# Altium PCB PCB.PcbDoc (part 3 of 3)
Units mm, origin at the board's own origin, x right, y up, seen from the top; angles counter-clockwise.
Board outline 157.4 x 131.87 mm, 4 copper layers (Top Layer, Power, GND, Bottom Layer), stack 0.603 mm thick; 193 components, 161 nets, 761 pads, 797 vias.
Unrouted connection lines stored in the file: 9.
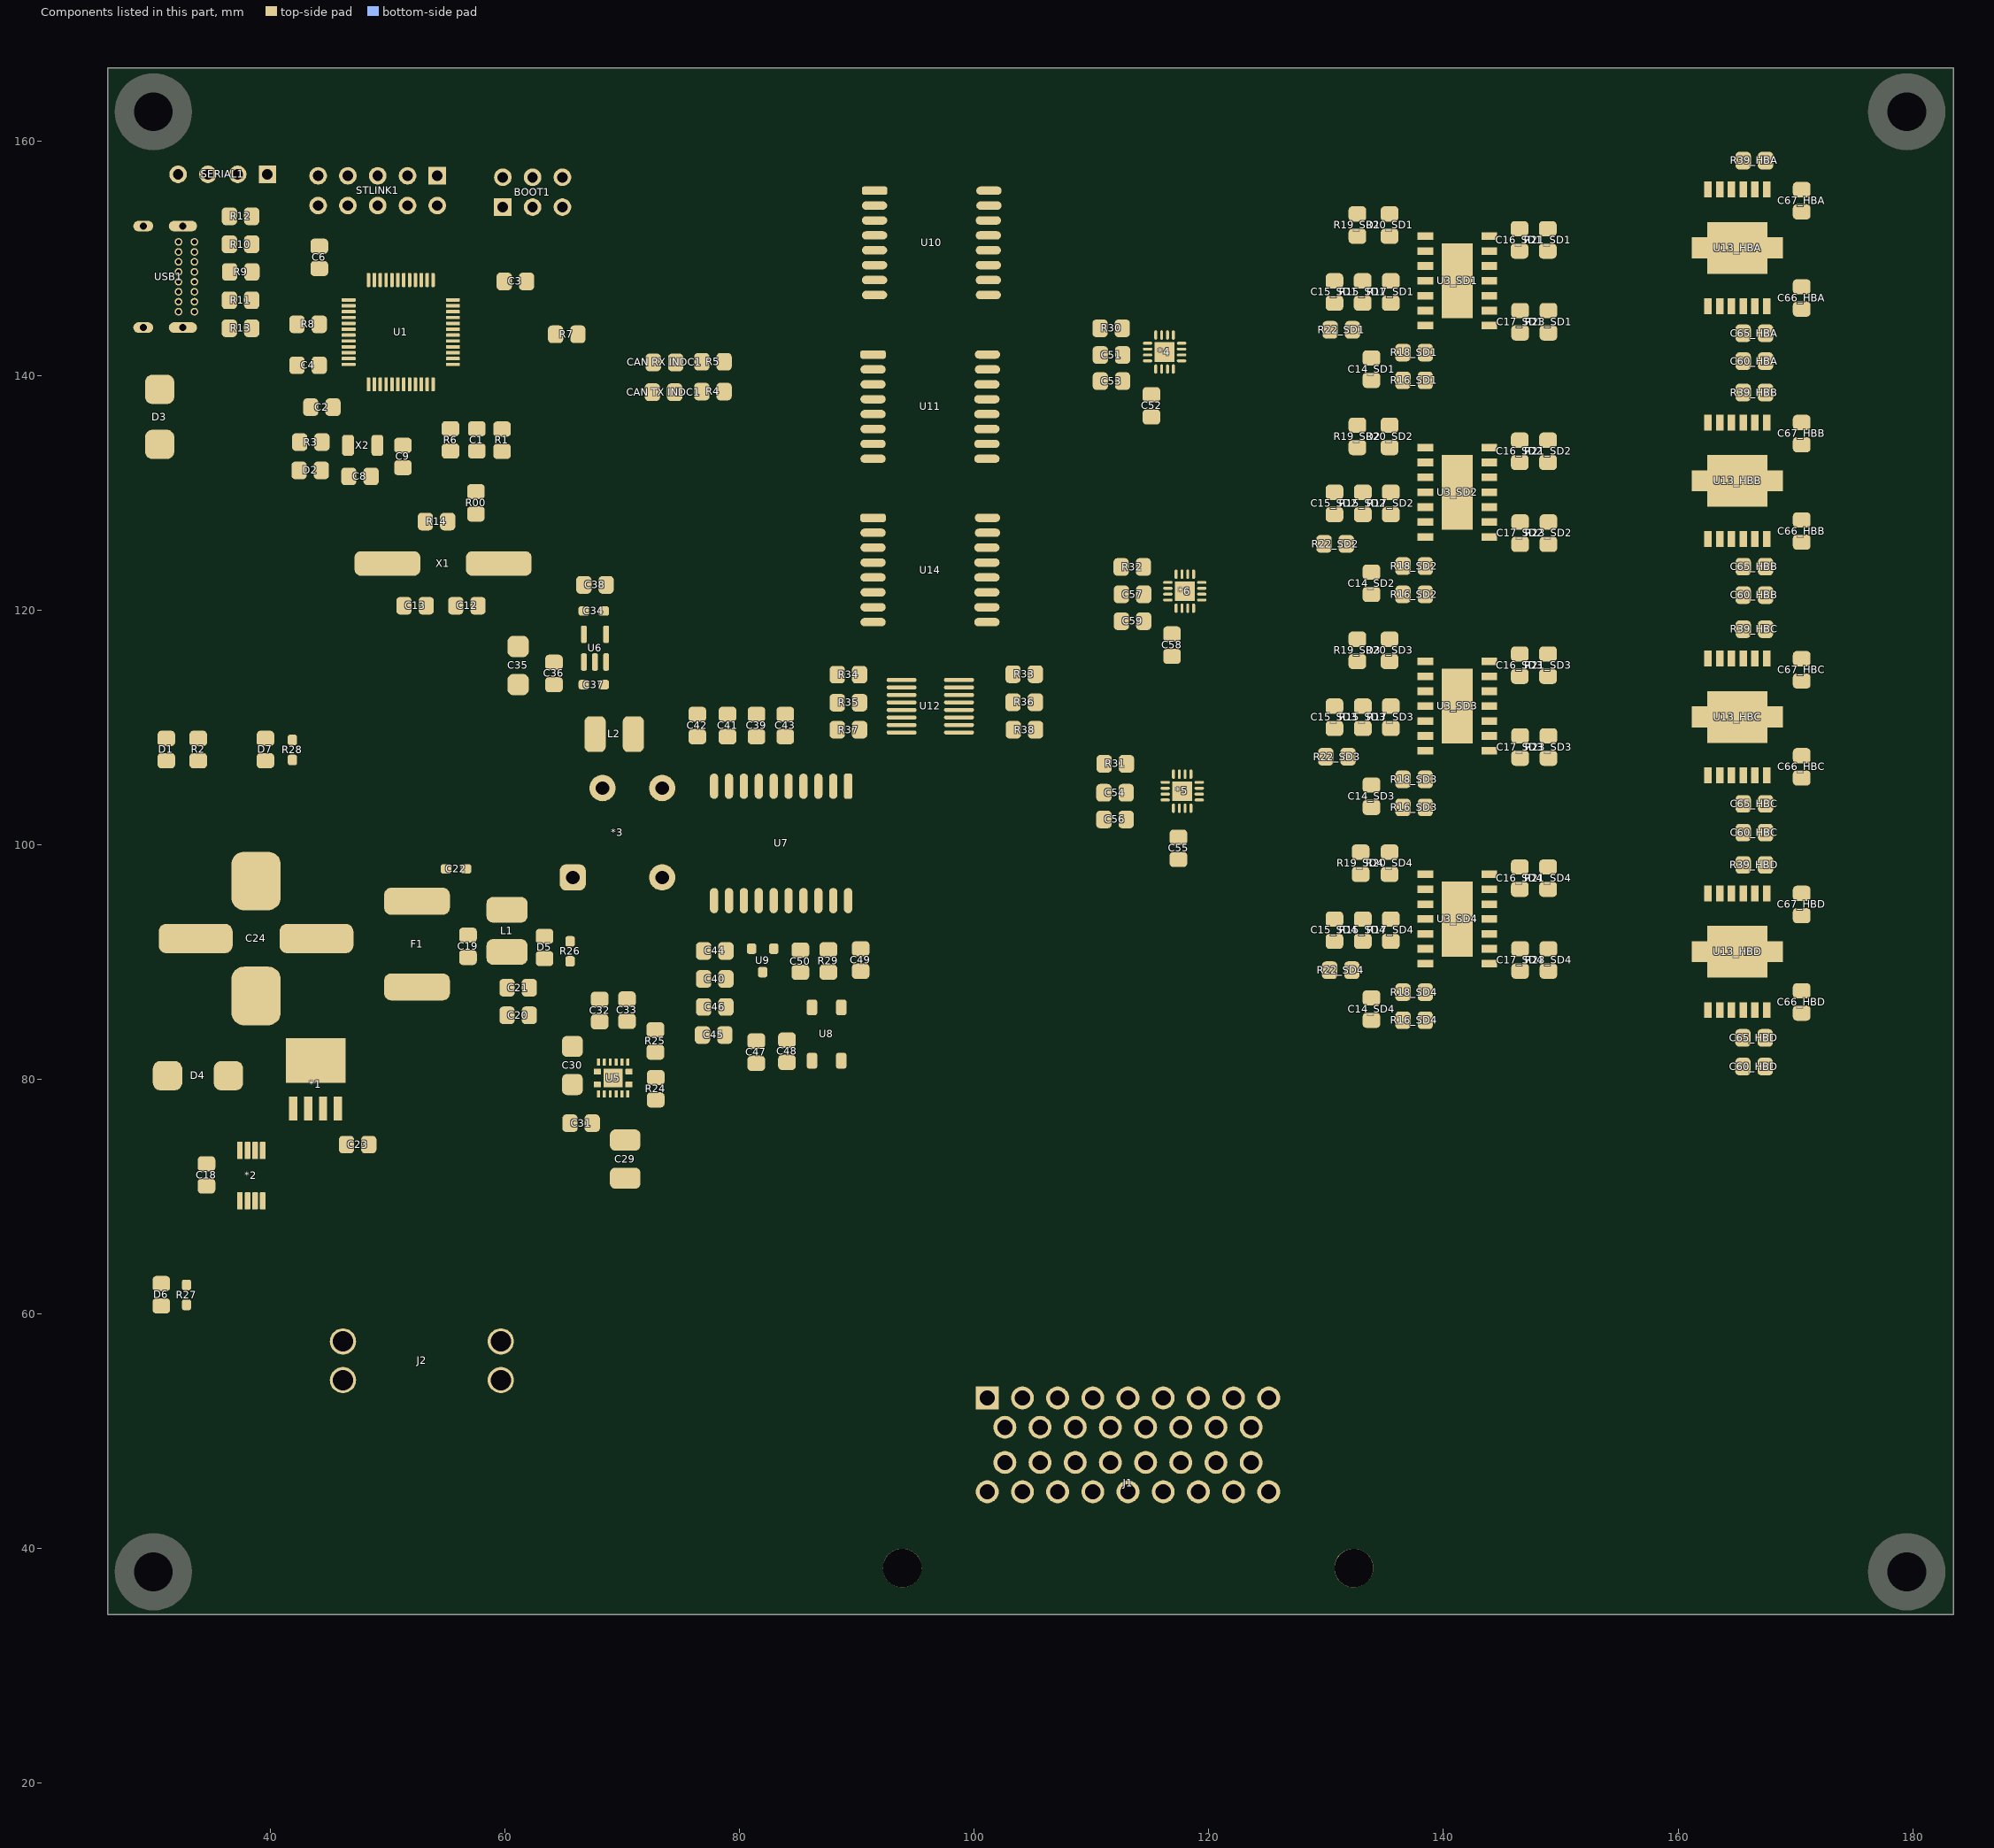
[diagram p5: the components of this part, seen from the top]

## Silkscreen, mask and mechanical layers (free items; w line width, h text height) (continued)
Mechanical 15:
  the board outline again, w0.254

## Text inside footprints (layer, text, board x,y; h text height)
U5: Top Overlay "*" at 67.75,77.55 h0.5 r90; Mechanical 13 "*" at 68.335,78.991 h1.27 r90